# Altium PCB RFPCB_REV-A.PcbDoc (continued)
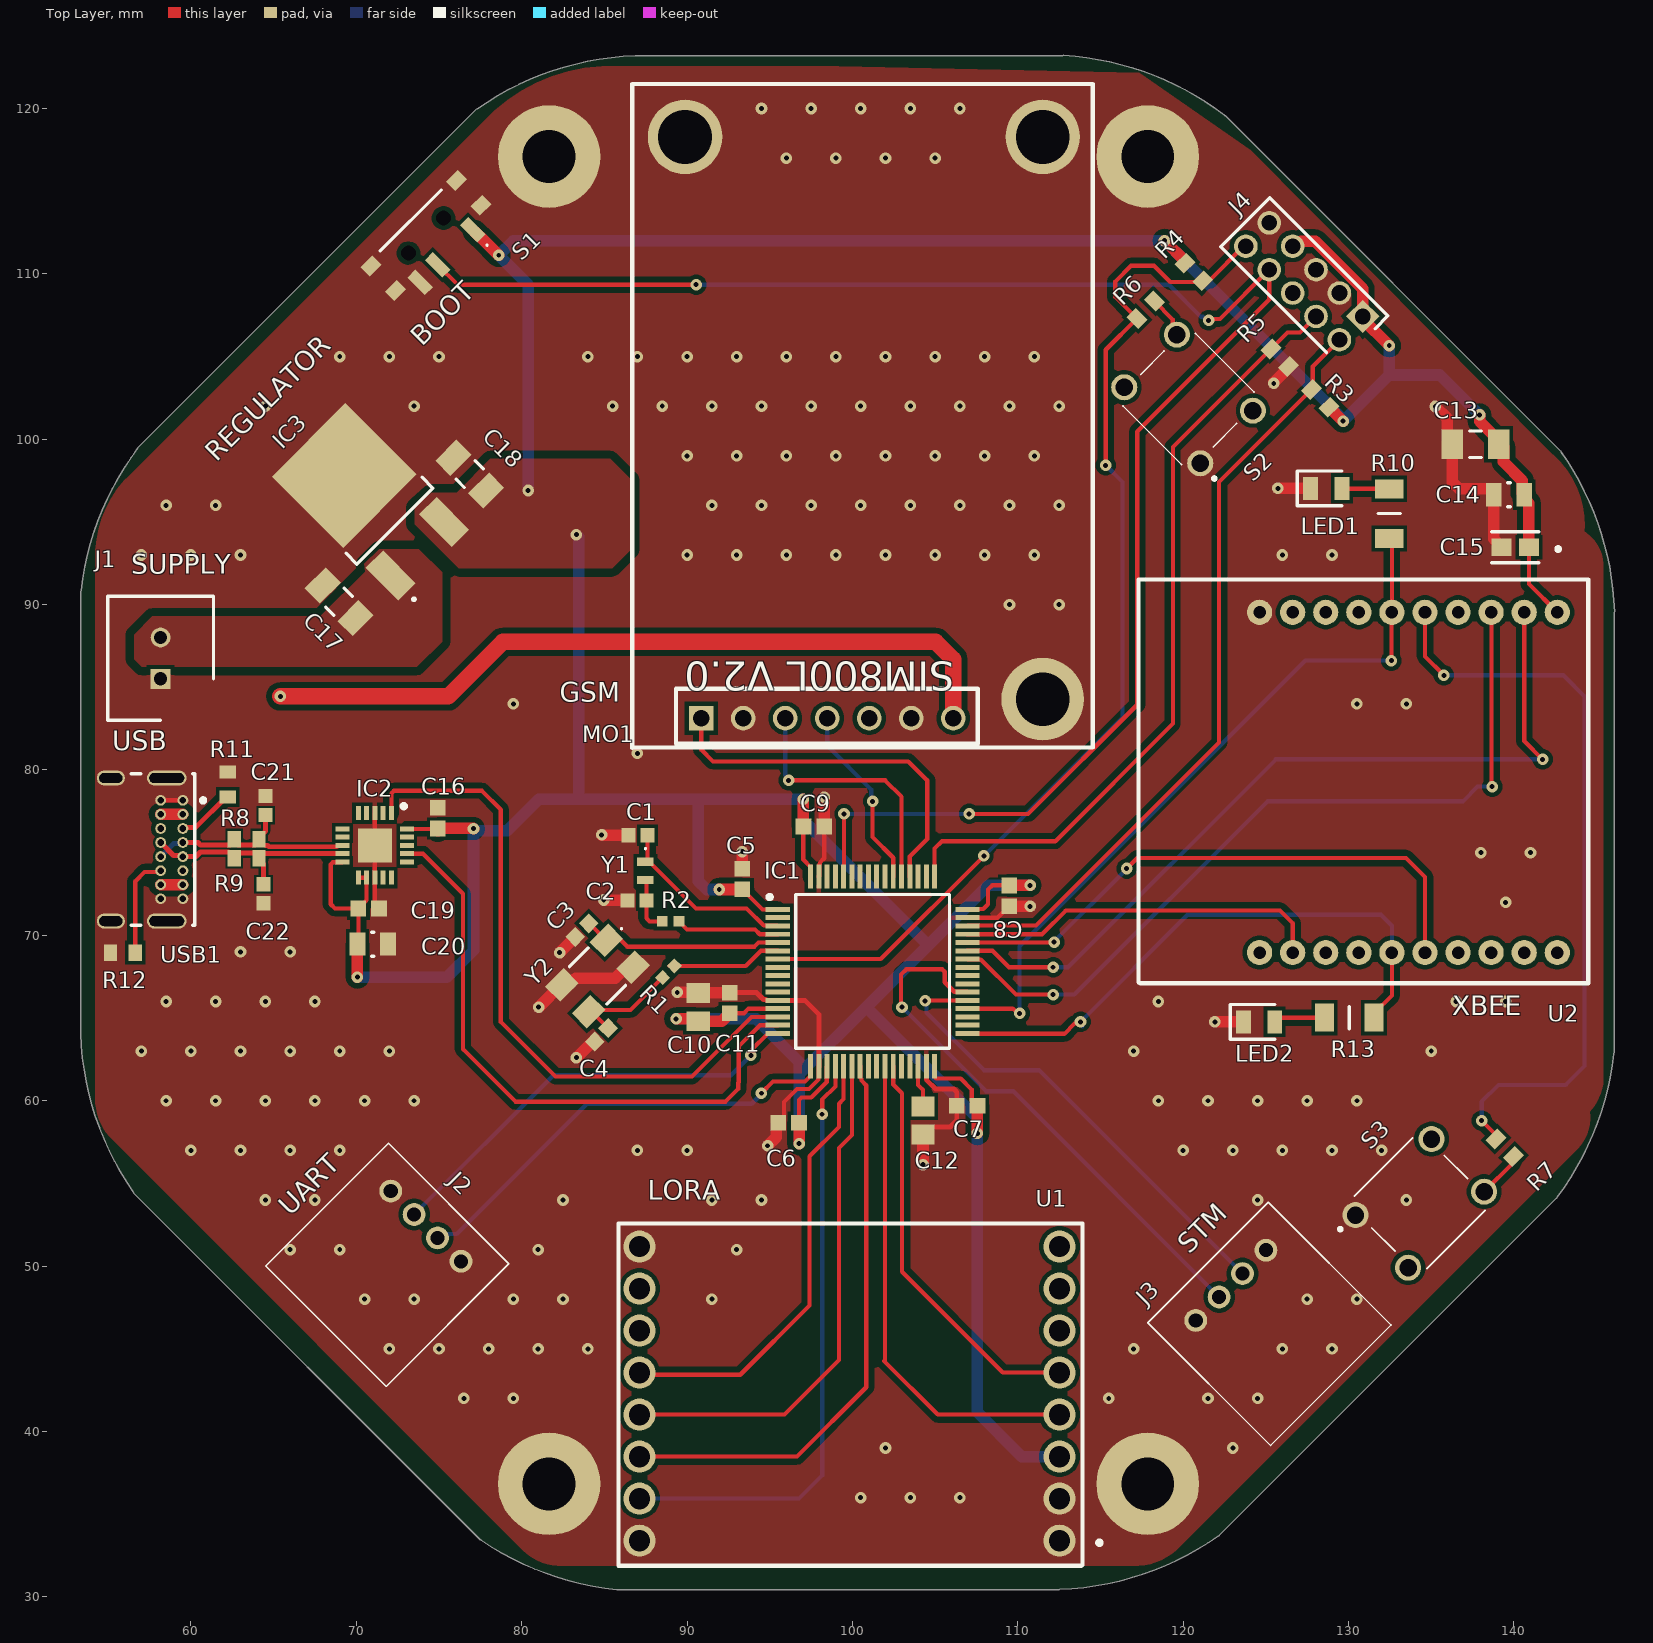
[diagram p0: Top Layer view]
## Part data
C1 C2 C3 C4 C21 C22: library part CMP-001-00005-6, "Chip Capacitor, 1 uF, +/- 10%, 25 V, 0603 (1608 Metric)", Capacitor Type=Ceramic, Case/Package=0603, Max Operating Temperature=125°C, Min Operating Temperature=-55°C, Tolerance=10%, Voltage Rating=25V, Mounting Technology=SM, Pins=2, RoHS Compliant=True
C5 C6 C7 C8 C9 C11 C16 C19: library part CMP-001-00017-6, "Chip Capacitor, 100 nF, +/- 10%, 50 V, 0603 (1608 Metric)", Capacitor Type=Ceramic, Case/Package=0603, Max Operating Temperature=125°C, Min Operating Temperature=-55°C, Tolerance=10%, Voltage Rating=50V, Mounting Technology=SM, Pins=2, RoHS Compliant=True
C10 C12: library part CMP-001-00007-6, "Chip Capacitor, 1 uF, +/- 10%, 50 V, 0805 (2012 Metric)", Capacitor Type=Ceramic, Case/Package=0805, Max Operating Temperature=125°C, Min Operating Temperature=-55°C, Tolerance=10%, Voltage Rating=50V, Mounting Technology=SM, Pins=2, RoHS Compliant=True
C13 C17 C18: library part CMP-001-00016-6, "Chip Capacitor, 10 uF, +/- 10%, 16 V, 1206 (3216 Metric)", Capacitor Type=Ceramic, Case/Package=1206, Max Operating Temperature=125°C, Min Operating Temperature=-55°C, Tolerance=10%, Voltage Rating=16V, Mounting Technology=SM, Pins=2, RoHS Compliant=True
C14 C20: library part CMP-2100-03606-3, "CAP CER 0.1UF 50V X7R 0805", Capacitance="100 nF", Manufacturer=Yageo, Manufacturer Part Number=CC0805KRX7R9BB104, Package=CC0805-0.85, Temperature="-30°C to +85°C", Temperature Characteristic=X7R, Temperature Range High=+85°C, Temperature Range Low=-30°C, Tolerance=0.1, Voltage Rating="50 V", Automotive=No, Category=Cap, ComponentLink2Description=Datasheet, ComponentLink2URL=http://www.yageo.com/documents/recent/UPY-GPHC_Y5V_6.3V-to-50V_8.pdf, Device Class L1="Passive Components", Device Class L2=Capacitors, Device Class L3="Ceramic Capacitors", Digikey Description="CAP CER 0.1UF 50V X7R 0805", Footprint Url=http://www.yageo.com/exep/pages/download/literatures/UPY-C_GEN_24.pdf, Height=0.95mm, Ipc Land Pattern Name=CAPC200125X85, Lead Free=Yes, Material=Ceramic, Mouser Description="Multilayer Ceramic Capacitors MLCC - SMD/SMT 100nF 50V X7R 10%", Octopart=https://octopart.com/cc0805krx7r9bb104-yageo-192993, RoHS=TRUE
C15: library part CMP-2006-04378-2, "General Purpose Ceramic Capacitor, 0603, 1nF, 10%, X7R, 15%, 50V", Capacitance=1nF, Case Code (Imperial)=0603, Case Code (Metric)=1608, Dielectric=X7R, Dielectric Material=Ceramic, Max Operating Temperature=125°C, Min Operating Temperature=-55°C, Package Quantity=4000, Tolerance=10%, Voltage=50V, Case/Package=0603, Construction=Flat, Contact Plating=Tin, Depth=0.81mm, Height=0.9mm, Lead Free="Lead Free", Length=1.6mm, Mount="Surface Mount", Number of Pins=2, Packaging="Tape and Reel", Radiation Hardening=No, REACH SVHC="No SVHC", RoHS Compliant=Yes, Series=-, Termination=SMD/SMT, Thickness=0.035inch, Voltage Rating=50V, Voltage Rating (DC)=50V, Weight=7.1E-05oz, Width=0.032inch
IC1: "Integrated Circuit", Manufacturer_Name=STMicroelectronics, Mouser Part Number=511-STM32F446RET6TR, Arrow Part Number=STM32F446RET6TR, Arrow Price/Stock=https://www.arrow.com/en/products/stm32f446ret6tr/stmicroelectronics?utm_currency=USD&region=nac, Datasheet Link=https://www.arrow.com/en/products/stm32f446ret6tr/stmicroelectronics, Height=1.6mm, Manufacturer_Part_Number=STM32F446RET6TR, Mouser Price/Stock=https://www.mouser.co.uk/ProductDetail/STMicroelectronics/STM32F446RET6TR?qs=xZ%2FP%252Ba9zWqYaBJrnMqQZtg%3D%3D
IC2: "Integrated Circuit", Manufacturer_Name="FTDI Chip", Mouser Part Number=895-FT231XQ-R, Arrow Part Number=FT231XQ-R, Arrow Price/Stock=https://www.arrow.com/en/products/ft231xq-r/ftdi-chip?region=nac, Datasheet Link=http://www.ftdichip.com/Support/Documents/DataSheets/ICs/DS_FT231X.pdf, Height=0.8mm, Manufacturer_Part_Number=FT231XQ-R, Mouser Price/Stock=https://www.mouser.co.uk/ProductDetail/FTDI/FT231XQ-R?qs=Gp1Yz1mis3VkAf3iW%252BkumQ%3D%3D
IC3: "Integrated Circuit", Manufacturer_Name=STMicroelectronics, Mouser Part Number=511-LD29150DT33R, Arrow Part Number=LD29150DT33R, Arrow Price/Stock=https://www.arrow.com/en/products/ld29150dt33r/stmicroelectronics?region=nac, Datasheet Link=http://www.st.com/web/en/resource/technical/document/datasheet/CD00003403.pdf, Manufacturer_Part_Number=LD29150DT33R, Mouser Price/Stock=https://www.mouser.co.uk/ProductDetail/STMicroelectronics/LD29150DT33R?qs=M4RLcaOHglr1iYLz8rxZ4g%3D%3D
J1: "Connector", Arrow Part Number=B02B-XASK-1(LF)(SN), Manufacturer_Name="JST (JAPAN SOLDERLESS TERMINALS)", Mouser Part Number=N/A, Arrow Price/Stock=https://www.arrow.com/en/products/b02b-xask-1-lf-sn/jst-manufacturing?utm_currency=USD&region=europe, Datasheet Link=http://www.jst-mfg.com/product/pdf/eng/eXA1.pdf, Height=8.8mm, Manufacturer_Part_Number=B02B-XASK-1(LF)(SN), Mouser Price/Stock=https://www.mouser.co.uk/ProductDetail/JST-Commercial/B02B-XASK-1LFSN?qs=IKkN%2F947nfBty2GocXf7QA%3D%3D
J2 J3: "Connector", Manufacturer_Name=Molex, Arrow Part Number=353630460, Arrow Price/Stock=https://www.arrow.com/en/products/35363-0460/molex?region=nac, Datasheet Link=https://www.molex.com/pdm_docs/sd/353630260_sd.pdf, Height=5.5mm, Manufacturer_Part_Number=353630460
J4: "Connector", Manufacturer_Name=Molex, Mouser Part Number=538-87758-1016, Arrow Part Number=87758-1016, Arrow Price/Stock=https://www.arrow.com/en/products/87758-1016/molex?region=nac, Datasheet Link=http://www.molex.com/pdm_docs/sd/877581016_sd.pdf, Height=5.95mm, Manufacturer_Part_Number=87758-1016, Mouser Price/Stock=https://www.mouser.co.uk/ProductDetail/Molex/87758-1016?qs=9Wl4wMk6NjrOw5AcqxMewg%3D%3D
LED1 LED2: "LED", Manufacturer_Name=Kingbright, Mouser Part Number=N/A, Arrow Part Number=KP-2012CGCK, Arrow Price/Stock=https://www.arrow.com/en/products/kp-2012cgck/kingbright?utm_currency=USD&region=europe, Datasheet Link=https://componentsearchengine.com/Datasheets/2/KP-2012CGCK.pdf, Height=1.1mm, Manufacturer_Part_Number=KP-2012CGCK, Mouser Price/Stock=https://www.mouser.co.uk/ProductDetail/Kingbright/KP-2012CGCK?qs=2JU0tDl2GZ3tjMUbXin2qw%3D%3D
MO1: library part SIM800LV2.0, "GSM Module"
R1 R2: library part CMP-009-00005-5, "Chip Resistor, 0 Ohm, 0.1 W, -55 to 155 degC, 0402 (1005 Metric)", Case/Package=0402, Max Operating Temperature=155°C, Min Operating Temperature=-55°C, Power=100mW, Tolerance=5%, Voltage Rating=50V, Mounting Technology=SM, Pins=2, RoHS Compliant=True
R3 R4 R5 R6 R7 R8 R9 R11 R12: library part CMP-009-00017-5, "Chip Resistor, 10 KOhm, +/- 1%, 01 W, -55 to 155 degC, 0603 (1608 Metric)", Case/Package=0603, Max Operating Temperature=155°C, Min Operating Temperature=-55°C, Power=100mW, Tolerance=1%, Voltage Rating=50V, Mounting Technology=SM, Pins=2, RoHS Compliant=True
R10 R13: "Resistor", Manufacturer_Name=Panasonic, Mouser Part Number=667-ERA-8AEB102V, Arrow Part Number=ERA-8AEB102V, Arrow Price/Stock=https://www.arrow.com/en/products/era-8aeb102v/panasonic?utm_currency=USD&region=nac, Datasheet Link=https://industrial.panasonic.com/cdbs/www-data/pdf/RDM0000/AOA0000C307.pdf, Height=0.7mm, Manufacturer_Part_Number=ERA-8AEB102V, Mouser Price/Stock=https://www.mouser.co.uk/ProductDetail/Panasonic/ERA-8AEB102V?qs=Ojoo2rCVP9R3RwZw0XjknA%3D%3D
S1: "Switch", Manufacturer_Name="Nidec Copal", Mouser Part Number=229-CUS-12TB, Datasheet Link=https://www.nidec-copal-electronics.com/e/catalog/switch/cus.pdf, Height=1.4mm, Manufacturer_Part_Number=CUS-12TB, Mouser Price/Stock=https://www.mouser.co.uk/ProductDetail/Nidec-Components/CUS-12TB?qs=XeJtXLiO41Q1Ug1dC3Bq%2FQ%3D%3D
S2 S3: "Switch", Manufacturer_Name="Multicomp Pro", Datasheet Link=http://www.farnell.com/datasheets/2945655.pdf, Height=6mm, Manufacturer_Part_Number=MC32829
U1: "gg"
Y1: "Crystal or Oscillator", Manufacturer_Name=ABRACON, Mouser Part Number=815-ABS05W32.768KD2T, Arrow Part Number=ABS05W-32.768KHZ-D-2-T, Arrow Price/Stock=https://www.arrow.com/en/products/abs05w-32.768khz-d-2-t/abracon?utm_currency=USD&region=nac, Datasheet Link=https://abracon.com/Resonators/ABS05W.pdf, Height=0.5mm, Manufacturer_Part_Number=ABS05W-32.768KHZ-D-2-T, Mouser Price/Stock=https://www.mouser.co.uk/ProductDetail/ABRACON/ABS05W-32.768KHZ-D-2-T?qs=r5DSvlrkXmJ0aADBg3hvfA%3D%3D
Y2: "Crystal or Oscillator", Manufacturer_Name=ABRACON, Datasheet Link=https://abracon.com/AIGcrystals/ABM3BAIG.pdf, Height=0.9mm, Manufacturer_Part_Number=ABM3BAIG-16.000MHZ-12-3-T

## Free pads (board coordinates)
  round 0.127 on Mech2: 1(53.202,74.104) 1(53.202,74.104) 1(53.456,90.779) 1(53.474,90.779) 1(55.268,87.496) 1(55.268,87.476) 1(56.649,54.479) 1(56.688,54.459) 1(77.334,119.849) 1(77.344,119.839) 1(77.59,33.538) 1(77.597,33.546) 1(85.76,30.571) 1(85.76,30.571) 1(86.903,123.071) 1(86.956,123.071) 1(112.456,30.571) 1(112.51,30.571) 1(112.757,123.071) 1(112.757,123.079) 1(122.068,33.803) 1(122.078,33.793) 1(122.449,119.479) 1(122.496,119.431) 1(142.432,54.147) 1(142.489,54.204) 1(142.724,99.183) 1(142.734,99.193) 1(145.937,89.619) 1(145.956,89.571)
  round 6.2 hole 3.2: 2(81.661,36.83) 2(81.661,117.094) 2(117.856,36.83) 2(117.856,117.094)

## Via types
v1: diameter 0.7, hole 0.3, Top Layer to Bottom Layer, tented both sides, 204 vias

## Nets (pads, with @x,y where several pads share a name; then routed paths per layer and width w, separated by ;. In a path a pad name is that pad's centre, name@x,y a point inside that pad or via, vN(x,y) a via of type N, cw(c..) or ccw(c..) an arc to the next point about the centre after c; other vN are vias at no path point)
3v3: C5.1 C6.1 C7.1 C8.1 C9.1 C10.1 C11.1 C13.1 C14.1 C15.1 C16.1 C18.1 C19.1 C20.1 IC1.1 IC1.13 IC1.19 IC1.32 IC1.48 IC1.64 IC2.10 IC2.11 IC2.12 IC2.20 IC3.2 J4.1 J4.7 R3.1 R4.1 S1.1 U1.3 U2.1 | length 295.8
  Top Layer w0.254: IC2.10 69.147,74.415 68.579,74.415 68.453,74.289 68.453,71.882 68.707,71.628 C19.1 ; C20.1 70.124,69.525 C19.1 ; IC2.11 IC2.12 70.62,72.124 C19.1 ; IC2.20 C16.1@74.829,76.438 ; C18.1@77.216,96.901 C18.1 ; C11.1 93.439,65.288 93.719,65.568 IC1.13 ; C5.1 94.558,71.568 IC1.1 ; C6.1 96.764,60.049 96.913,60.198 97.508,60.198 98.446,61.136 98.446,62.057 IC1.19 ; C9.1 97.028,76.571 97.028,74.585 97.469,74.144 IC1.64 ; IC1.32@104.986,61.425 105.071,61.341 106.553,61.341 107.211,60.683 107.211,60.038 C7.1 ; IC1.48 106.98,71.591 107.913,71.591 108.204,71.882 108.204,72.771 108.458,73.025 C8.1@109.484,73.025 ; C15.1 140.907,91.249 U2.1
  Top Layer w0.7: v1(70.068,67.473) C20.1 ; C16.1@74.93,76.339 75.055,76.464 77.079,76.464 v1(77.089,76.454) ; IC3.2 75.346,94.961 IC3.2@75.911,94.961 ; S1.1@77.137,112.57 77.469,112.238 77.5,112.238 v1(78.613,111.125) ; v1(89.338,64.954) 90.533,64.954 C10.1 92.104,64.809 C11.1 ; v1(91.948,72.771) 93.335,72.771 C5.1 ; C6.1 96.774,58.664 v1(96.774,57.404) ; C9.1@97.028,76.591 v1(97.028,78.232) ; v1(107.559,58.029) C7.1 ; C8.1@109.484,73.025 v1(110.744,73.025) ; U1.3@112.395,38.354 U1.3 ; v1(118.872,112.014) 120.148,110.738 120.148,110.667 R4.1 ; J4.7 126.815,111.667 127.126,111.978 127.991,111.978 130.862,109.107 J4.1 130.862,107.263 v1(132.461,105.664) ; R3.1 v1(129.667,101.092) ; v1(137.922,101.473) 137.922,101.091 139.192,99.821 139.192,99.695 139.368,99.519 139.368,98.63 140.5,97.498 140.5,96.772 C14.1 ; C14.1@140.625,96.422 140.907,96.14 C15.1
  Bottom Layer w0.7: v1(70.068,67.473) 75.474,67.473 77.089,69.088 v1(77.089,76.454) 77.216,76.327 79.121,76.327 81.026,78.232 83.439,78.232 ; v1(80.391,96.901) 80.391,109.347 v1(78.613,111.125) 79.502,112.014 v1(118.872,112.014) 129.667,101.219 v1(129.667,101.092) 132.461,103.886 ; v1(83.312,94.234) 83.439,94.107 83.439,78.232 ; v1(89.338,64.954) 94.177,64.954 96.774,62.357 96.774,61.595 ; v1(91.948,72.771) 91.186,72.771 90.678,73.279 90.678,78.232 ; v1(96.774,57.404) 96.774,61.595 ; 100.965,65.532 107.559,58.938 107.559,41.158 110.236,38.481 U1.3 ; v1(110.744,73.025) 108.204,73.025 104.584,69.406 ; v1(132.461,105.664) 132.461,103.886 ; v1(137.922,101.473) 135.509,103.886 132.461,103.886 ; 83.439,78.232 90.678,78.232 ; 90.678,78.232 v1(97.028,78.232) 97.028,76.962 104.584,69.406 ; 96.774,61.595 100.838,65.659 104.584,69.406
5v: C17.1 IC3.1 J1.2 MO1.7 USB1.A4 USB1.A9 USB1.B4 USB1.B9 | length 48.9
  Top Layer w0.254: USB1.B4@58.09,73.14 USB1.B4
  Top Layer w0.7: USB1.B4 USB1.A9 ; USB1.B9 USB1.A4
  Top Layer w1: v1(65.405,84.455) 75.565,84.455 78.867,87.757 105.029,87.757 106.097,86.689 MO1.7
BOOT: IC1.60 J4.8 S1.2 | length 106.8
  Top Layer w0.254: S1.2 76.118,109.347 v1(90.551,109.347) ; IC1.60 99.492,73.579 v1(99.492,77.343) ; v1(107.061,77.343) 110.617,77.343 117.221,83.947 117.221,100.457 125.205,108.441 J4.8 122.225,107.273 121.624,107.273 v1(121.539,107.188)
  Bottom Layer w0.254: v1(90.551,109.347) 119.126,109.347 121.073,107.4 121.206,107.4 121.418,107.188 v1(121.539,107.188) ; v1(99.492,77.343) v1(107.061,77.343)
FT_D_N: C22.1 IC2.9 R9.1 R9.2 USB1.A7 USB1.B7 | length 13.8
  Top Layer w0.3: USB1.B7 58.949,74.831 59.449,74.831 USB1.A7 60.304,74.764 60.579,75.039 62.26,75.039 62.273,75.026 62.373,75.026 62.623,74.776 R9.1 62.623,74.727 62.873,74.977 63.873,74.977 64.123,74.727 R9.2 64.123,74.576 64.389,74.31 C22.1 ; R9.2@64.123,74.688 64.373,74.938 IC2.9
FT_D_P: C21.1 IC2.8 R8.1 R8.2 USB1.A6 USB1.B6 | length 13
  Top Layer w0.3: USB1.A6 60.424,75.614 60.579,75.459 62.263,75.459 62.273,75.469 62.373,75.469 R8.1@62.623,75.719 ; R8.1 R8.1@62.623,75.719 ; 63.301,75.469 62.873,75.469 R8.1@62.623,75.719 ; 63.386,75.469 63.873,75.469 R8.2@64.123,75.719 ; R8.2 64.123,75.919 64.516,76.312 C21.1 ; 64.549,75.446 64.635,75.446 64.723,75.358 68.815,75.358 68.895,75.438 IC2.8
  Bottom Layer w0.3: USB1.B6 58.949,75.547 59.449,75.547 USB1.A6
FT_Rx: IC1.14 IC2.1 | length 40.8
  Top Layer w0.254: IC2.1 72.12,78.591 72.269,78.74 77.597,78.74 78.74,77.597 78.74,64.77 82.042,61.468 90.297,61.468 93.897,65.068 IC1.14
FT_Tx: IC1.15 IC2.17 | length 37.5
  Top Layer w0.254: IC2.17 74.033,74.938 76.454,72.517 76.454,63.119 79.629,59.944 92.329,59.944 93.091,60.706 93.091,61.087 93.122,61.118 93.122,63.27 94.42,64.568 IC1.15
GND: C1.2 C2.2 C3.2 C4.2 C5.2 C6.2 C7.2 C8.2 C9.2 C10.2 C11.2 C12.2 C13.2 C14.2 C15.2 C16.2 C17.2 C18.2 C19.2 C20.2 C21.2 C22.2 IC1.12 IC1.18 IC1.31 IC1.47 IC1.63 IC2.3 IC2.13 IC2.21 IC3.3 J1.1 J2.1 J2.4 J3.1 J3.4 J4.3 J4.5 J4.9 LED1.1 LED2.1 MO1.2 MO1.6 MO1.MH1 MO1.MH2 MO1.MH3 pad.2 R5.2 R11.1 R12.1 S1.3 S1.MP1 S1.MP2 S1.MP3 S1.MP4 S2.1 S3.1 U1.1 U1.2 U1.9 U1.16 U2.10 USB1.1 USB1.2 USB1.3 USB1.4 USB1.A1 USB1.A12 USB1.B1 USB1.B12 Y2.2 Y2.4 | length 75.1
  Top Layer w0.254: USB1.2@58.166,71.162 58.464,70.864 USB1.2 ; USB1.B12 USB1.A1 ; IC2.3 IC2.21 IC2.13 71.12,71.882 C19.2 ; C6.2 95.862,59.022 95.862,59.921 96.647,60.706 97.374,60.706 97.946,61.278 97.946,62.057 IC1.18 ; IC1.63 97.992,73.579 97.992,74.265 98.042,74.315 98.042,74.408 98.298,74.664 C9.2@98.298,76.591 ; IC1.47 108.777,71.068 C8.2
  Top Layer w0.3: C11.2 94.199,66.538 94.619,66.118 94.756,66.118 94.806,66.068 IC1.12 97.127,66.068 97.969,65.226 IC1.18 ; C12.2 104.717,58.401 105.899,58.401 106.309,58.811 C7.2 106.309,60.53 106.133,60.706 105.031,60.706 104.469,61.268 IC1.31
  Top Layer w0.7: R12.1@55.118,68.949 R12.1 ; USB1.4@55.143,70.851 USB1.4 ; v1(81.026,65.659) 82.378,67.011 82.852,67.011 83.258,67.417 85.662,67.417 86.317,68.072 Y2.4 ; v1(82.296,68.961) C3.2 ; v1(83.312,62.611) 83.333,62.611 84.303,63.581 C4.2 ; v1(84.836,76.073) 84.856,76.053 C1.2 ; v1(84.963,72.136) 84.983,72.116 C2.2 ; v1(89.408,66.548) C10.2@90.805,66.548 ; C10.2 90.693,66.523 92.568,66.523 C11.2 ; C5.2 93.335,74.041 93.345,74.051 v1(93.345,75.057) ; v1(94.869,57.277) 95.389,57.797 95.389,58.549 C6.2 ; C9.2@98.298,76.591 v1(98.298,78.359) ; v1(104.267,56.134) C12.2 ; C8.2 109.484,71.755 v1(110.744,71.755) ; v1(121.92,64.77) LED2.1 ; v1(125.476,103.378) 125.476,103.434 126.365,104.323 R5.2 ; v1(125.73,97.028) LED1.1 ; v1(135.255,101.981) 135.968,101.268 135.968,99.995 C13.2 136.268,97.407 136.678,96.997 138.65,96.997 138.775,96.872 C14.2 138.775,93.973 139.002,93.746 139.002,93.656 139.186,93.472 C15.2
  Bottom Layer w0.254: USB1.2@58.166,71.162 58.464,70.864 USB1.2
  other v1: 100.5,36 103.5,36 106.5,36 102,39 123,39 76.5,42 79.5,42 115.5,42 121.5,42 124.5,42 72,45 75,45 78,45 81,45 84,45 117,45 126,45 129,45 70.5,48 73.5,48 79.5,48 82.5,48 91.5,48 127.5,48 130.5,48 66,51 69,51 81,51 93,51 64.5,54 67.5,54 82.5,54 91.5,54 94.5,54 124.5,54 133.5,54 60,57 63,57 66,57 69,57 87,57 90,57 120,57 123,57 126,57 129,57 132,57 58.5,60 61.5,60 64.5,60 67.5,60 70.5,60 73.5,60 118.5,60 121.5,60 124.5,60 127.5,60 130.5,60 57,63 60,63 63,63 66,63 69,63 72,63 117,63 135,63 58.5,66 61.5,66 64.5,66 67.5,66 118.5,66 136.5,66 139.5,66 63,69 66,69 139.5,72 138,75 141,75 87,81 79.5,84 130.5,84 133.5,84 109.5,90 112.5,90 57,93 60,93 63,93 90,93 93,93 96,93 99,93 102,93 105,93 108,93 111,93 126,93 129,93 58.5,96 61.5,96 91.5,96 94.5,96 97.5,96 100.5,96 103.5,96 106.5,96 109.5,96 112.5,96 90,99 93,99 96,99 99,99 102,99 105,99 108,99 111,99 64.5,102 73.5,102 85.5,102 88.5,102 91.5,102 94.5,102 97.5,102 100.5,102 103.5,102 106.5,102 109.5,102 112.5,102 69,105 72,105 75,105 84,105 87,105 90,105 93,105 96,105 99,105 102,105 105,105 108,105 111,105 96,117 99,117 102,117 105,117 94.5,120 97.5,120 100.5,120 103.5,120 106.5,120
GSM_RST: IC1.52 MO1.1 | length 22.6
  Top Layer w0.254: MO1.1 90.857,81.228 91.567,80.518 103.378,80.518 104.521,79.375 104.521,75.819 103.469,74.767 IC1.52
GSM_Rx: IC1.53 MO1.3 | length 15.9
  Top Layer w0.254: v1(96.139,79.375) 101.981,79.375 102.969,78.387 IC1.53
  Bottom Layer w0.254: MO1.3 95.937,79.698 96.139,79.496 v1(96.139,79.375)
GSM_Tx: IC1.54 MO1.4 | length 11.2
  Top Layer w0.254: v1(101.219,78.105) 101.219,75.946 102.469,74.696 IC1.54
  Bottom Layer w0.254: MO1.4 98.477,81.482 101.134,78.825 101.134,78.19 v1(101.219,78.105)
HSE_IN: C3.1 IC1.5 Y2.1 | length 12.2
  Top Layer w0.254: C3.1 84.094,70.719 Y2.1 85.188,69.772 85.928,69.772 86.384,69.316 94.074,69.316 94.326,69.568 IC1.5
HSE_OUT: IC1.6 R1.2 | length 6.9
  Top Layer w0.254: R1.2@88.947,68.152 93.552,68.152 94.468,69.068 IC1.6
LoRa_DIO0: IC1.27 U1.5 | length 24.7
  Top Layer w0.254: IC1.27 102.469,60.98 102.997,60.452 102.997,49.657 109.093,43.561 U1.5
LoRa_MISO: IC1.22 U1.13 | length 31.5
  Top Layer w0.254: U1.13 95.885,41.021 99.187,44.323 99.187,57.15 99.969,57.932 IC1.22
LoRa_MOSI: IC1.23 U1.14 | length 35
  Top Layer w0.254: U1.14 96.647,38.481 100.838,42.672 100.838,60.932 100.542,61.228 100.542,61.321 100.492,61.371 100.492,62.057 IC1.23
LoRa_NSS: IC1.20 U1.15 | length 36.8
  Top Layer w0.254: U1.15 U1.15@87.185,36.005 ; v1(98.171,59.182) 98.171,60.071 98.969,60.869 IC1.20
  Bottom Layer w0.254: U1.15 96.774,35.941 98.171,37.338 v1(98.171,59.182)
LoRa_RST: IC1.26 U1.4 | length 29.8
  Top Layer w0.254: IC1.26 101.969,44.324 101.911,44.266 105.156,41.021 U1.4
LoRa_SCK: IC1.21 U1.12 | length 27.4
  Top Layer w0.254: U1.12 87.249,43.434 93.218,43.434 97.409,47.625 97.409,56.642 99.187,58.42 99.187,59.817 99.469,60.099 IC1.21
LSE_IN: C1.1 IC1.3 Y1.1 | length 11.3
  Top Layer w0.254: Y1.1 Y1.1@87.487,74.444 ; C1.1 87.61,74.567 Y1.1@87.487,74.444 ; IC1.3 95.458,70.591 94.636,70.591 93.599,71.628 90.549,71.628 87.733,74.444 Y1.1@87.487,74.444
LSE_OUT: IC1.4 R2.2 | length 6.3
  Top Layer w0.254: R2.2 89.995,70.358 94.107,70.358 94.397,70.068 IC1.4
NetC2_1: C2.1 R2.1 Y1.2 | length 3.4
  Top Layer w0.254: Y1.2 87.55,73.277 C2.1 87.55,71.033 87.737,70.846 R2.1
NetC4_1: C4.1 R1.1 Y2.3 | length 6.9
  Top Layer w0.254: C4.1 84.232,65.385 Y2.3 84.16,65.491 86.573,65.491 R1.1
NetC12_1: C12.1 IC1.30 | length 2.6
  Top Layer w0.254: IC1.30 103.969,60.957 104.267,60.659 C12.1
NetLED1_2: LED1.2 R10.1 | length 2.9
  Top Layer w0.254: LED1.2 129.625,97.004 R10.1
NetLED2_2: LED2.2 R13.1 | length 3.1
  Top Layer w0.254: LED2.2 125.791,65.024 R13.1
NetR6_1: R6.1 S2.4 | length 2.8
  Top Layer w0.254: R6.1@118.427,108.353 R6.1 119.364,107.248 119.364,106.576 S2.4
NetR7_1: R7.1 S3.4 | length 2.9
  Top Layer w0.254: S3.4 139.976,56.276 R7.1
NetR11_2: R11.2 USB1.A5 | length 3.5
  Top Layer w0.3: USB1.A5 59.583,76.531 60.29,76.531 62.13,78.371 R11.2
NetR12_2: R12.2 USB1.B5 | length 6.1
  Top Layer w0.254: R12.2 56.63,73.267 57.201,73.838 58.09,73.838 USB1.B5
NRST: IC1.7 J4.10 R4.2 R6.2 | length 64.9
  Top Layer w0.254: IC1.7 101.715,68.568 v1(107.95,74.803) ; v1(115.316,98.425) 115.316,105.41 R6.2 115.896,108.595 115.896,109.546 116.84,110.49 118.237,110.49 119.219,109.508 121.11,109.508 R4.2 121.566,109.579 123.655,111.667 J4.10
  Bottom Layer w0.254: v1(107.95,74.803) 116.332,83.185 116.332,97.409 v1(115.316,98.425) ; J4.10@123.489,111.667 J4.10
STM_RX: IC1.37 J3.3 | length 29
  Top Layer w0.254: v1(104.394,66.04) 104.422,66.068 IC1.37
  Bottom Layer w0.254: v1(104.394,66.04) 104.479,65.955 104.479,65.32 107.95,61.849 111.286,61.849 J3.3
STM_TX: IC1.38 J3.2 | length 33.5
  Top Layer w0.254: v1(102.997,65.659) 102.942,65.714 102.942,67.636 103.251,67.945 105.431,67.945 105.58,67.796 105.58,67.166 106.155,66.591 106.934,66.591 IC1.38
  Bottom Layer w0.254: v1(102.997,65.659) 108.077,60.579 109.728,60.579 J3.2
SWDCLK: IC1.49 J4.4 R5.1 | length 47.9
  Top Layer w0.254: IC1.49 104.992,73.579 IC1.49@104.992,74.258 ; IC1.49@104.969,74.258 104.969,75.251 105.41,75.692 112.268,75.692 119.38,82.804 119.38,99.53 R5.1 126.309,106.46 127.068,106.46 J4.4
SWDIO: IC1.46 J4.2 R3.2 | length 47.1
  Top Layer w0.254: IC1.46 106.98,70.591 111.104,70.591 122.174,81.661 122.174,97.409 R3.2 ; R3.2@127.833,103.068 127.833,104.396 J4.2
UART_RX_BR: IC1.17 J2.3 | length 27.2
  Top Layer w0.254: v1(94.488,60.452) 95.196,61.16 97.137,61.16 97.446,61.469 97.446,62.057 IC1.17
  Bottom Layer w0.254: J2.3 75.128,51.922 75.604,51.922 75.625,51.943 76.073,51.943 83.947,59.817 93.91,59.817 94.488,60.395 v1(94.488,60.452)
UART_TX_BR: IC1.16 J2.2 | length 26.7
  Top Layer w0.254: v1(93.853,62.738) 93.938,62.823 93.938,63.113 94.87,64.045 95.458,64.045 IC1.16
  Bottom Layer w0.254: J2.2 81.919,61.541 92.656,61.541 v1(93.853,62.738)
Xbee_ASSO: IC1.33 R13.2 U2.15 | length 34.9
  Top Layer w0.254: IC1.33 106.98,64.045 112.813,64.045 113.433,64.665 113.566,64.665 113.671,64.77 v1(113.792,64.77) ; R13.2 131.548,65.299 132.621,66.372 U2.15
  Bottom Layer w0.254: v1(113.792,64.77) 120.269,71.247 131.953,71.247 132.621,70.579 U2.15 ; v1@113.919,64.51 v1@113.919,64.522
Xbee_CTS: IC1.45 U2.12 | length 22.4
  Top Layer w0.254: IC1.45 111.47,70.068 112.903,71.501 125.857,71.501 126.621,70.737 U2.12
Xbee_RSSI: IC1.36 R10.2 U2.6 | length 44.4
  Top Layer w0.254: IC1.36 109.698,65.568 109.988,65.278 v1(110.109,65.278) ; R10.2 132.621,93.844 U2.6 132.604,89.519 132.604,86.63 v1(132.588,86.614)
  Bottom Layer w0.254: v1(110.109,65.278) 110.109,69.342 127.381,86.614 v1(132.588,86.614)
Xbee_RST: R7.2 U2.5 | length 45.4
  Top Layer w0.254: U2.5 134.621,86.867 v1(135.763,85.725) ; v1(138.049,58.801) 138.916,57.934 R7.2
  Bottom Layer w0.254: v1(135.763,85.725) 143.002,85.725 144.272,84.455 144.272,62.103 143.129,60.96 139.065,60.96 138.049,59.944 v1(138.049,58.801)
Xbee_RTS: IC1.44 U2.16 | length 34.9
  Top Layer w0.254: IC1.44 112.169,69.568 v1(112.197,69.596) ; v1(116.586,74.041) 117.221,74.676 133.477,74.676 134.621,73.532 U2.16
  Bottom Layer w0.254: v1(112.197,69.596) 112.197,69.624 116.586,74.013 v1(116.586,74.041)
Xbee_RxD: IC1.42 U2.3 | length 48.4
  Top Layer w0.254: IC1.42 106.98,68.545 107.759,68.545 109.883,66.421 v1(112.141,66.421) ; U2.3 138.653,89.504 138.653,79.025 v1(138.684,78.994)
  Bottom Layer w0.254: v1(112.141,66.421) 113.411,66.421 125.095,78.105 136.912,78.105 137.801,78.994 v1(138.684,78.994)
Xbee_TxD: IC1.43 U2.2 | length 49.7
  Top Layer w0.254: IC1.43 108.478,69.068 109.474,68.072 v1(112.141,68.072) ; U2.2 140.621,81.756 v1(141.732,80.645)
  Bottom Layer w0.254: v1(112.141,68.072) 113.03,68.072 125.603,80.645 v1(141.732,80.645)
pads on no net: IC1.2 IC1.8 IC1.9 IC1.10 IC1.11 IC1.24 IC1.25 IC1.28 IC1.29 IC1.34 IC1.35 IC1.39 IC1.40 IC1.41 IC1.50 IC1.51 IC1.55 IC1.56 IC1.57 IC1.58 IC1.59 IC1.61 IC1.62 IC2.2 IC2.4 IC2.5 IC2.6 IC2.7 IC2.14 IC2.15 IC2.16 IC2.18 IC2.19 J4.6 MO1.5 S1.MH1 S1.MH2 S2.2 S2.3 S3.2 S3.3 U1.6 U1.7 U1.8 U1.10 U1.11 U2.4 U2.7 U2.8 U2.9 U2.11 U2.13 U2.14 U2.17 U2.18 U2.19 U2.20 USB1.A8 USB1.B8

## Polygon pours and split planes (outlines as drawn)
GND on Top Layer "GND_L01_P047" (solid, remove dead copper, pour order 47): 117.348,122.174 124.079,117.475 142.113,99.314 142.588,98.839 cw(c138.548,94.8) 144.25,94.436 cw(c142.776,92.246) 145.415,92.245 145.415,61.477 cw(c142.255,61.476) 144.572,59.328 cw(c142.12,58.899) 143.88,57.139 119.665,32.924 cw(c117.138,35.45) 117.138,31.877 82.312,31.877 cw(c82.311,34.98) 80.107,32.796 55.176,57.727 cw(c57.462,60.013) 54.229,60.013 54.229,92.946 cw(c61.004,92.952) 56.213,97.742 77.97,119.499 cw(c85.348,112.121) 85.348,122.555 98.933,122.555 98.933,122.646 ccw(c99.042,122.6) 98.933,122.555
GND on Top Layer "GND_L01_P038" (solid, pour order 38): 75.882,116.459 76.2,116.459 76.454,116.205 78.359,114.3 78.359,113.792 77.851,113.284 77.216,113.284 75.184,115.316 75.184,115.9
5v on Top Layer "5V_L01_P023" (solid, pour order 23): 70.485,92.456 71.374,93.345 73.787,93.345 75.184,91.948 75.184,87.757 73.66,86.233 57.023,86.233 56.558,86.698 56.558,88.181 57.658,89.281 67.818,89.281 70.536,91.999
3v3 on Top Layer "3V3_L01_P032" (solid, pour order 32): 73.66,96.012 73.533,95.885 73.533,94.869 76.2,92.202 85.471,92.202 86.614,93.345 86.614,97.536 85.344,98.806 78.105,98.806 76.073,96.774 74.517,96.774
GND on Top Layer "GND_L01_P010" (solid, pour order 10): 70.877,111.39 71.258,111.39 72.655,109.993 73.544,110.882 74.687,109.739 74.676,109.22 73.152,107.696 72.655,107.707 70.115,110.247 70.115,110.606 70.104,110.617
GND on Bottom Layer "GND_L02_P046" (solid, remove dead copper, pour order 46): 117.348,122.174 124.079,117.475 142.113,99.314 142.588,98.839 cw(c138.548,94.8) 144.25,94.436 cw(c142.776,92.246) 145.415,92.245 145.415,61.477 cw(c142.255,61.476) 144.572,59.328 cw(c142.12,58.899) 143.88,57.139 119.665,32.924 cw(c117.138,35.45) 117.138,31.877 82.312,31.877 cw(c82.311,34.98) 80.107,32.796 55.176,57.727 cw(c57.462,60.013) 54.229,60.013 54.229,92.946 cw(c61.004,92.952) 56.213,97.742 77.97,119.499 cw(c85.348,112.121) 85.348,122.555 98.933,122.555 98.933,122.646 ccw(c99.042,122.6) 98.933,122.555
5v on Bottom Layer "5V_L02_P031" (solid, pour order 31): 57.404,72.009 56.794,72.644 56.794,77.68 57.531,78.613 60.834,78.72 60.834,78.741 60.91,78.817 60.91,85.669 57.574,85.777 57.023,86.741 57.023,87.884 58.928,89.789 63.119,89.789 67.183,85.725 67.183,74.93 64.262,72.009

## Silkscreen, mask and mechanical layers (free items; w line width, h text height)
Top Overlay:
  text "BOOT" at 74.274,105.277 h2 r45
  text "REGULATOR" at 61.828,98.292 h2 r45
  text "SUPPLY" at 56.384,91.466 h2
  text "GSM" at 82.292,83.719 h2
  text "USB" at 55.241,80.798 h2
  text "XBEE" at 136.267,64.766 h2
  text "LORA" at 87.626,53.62 h2
  text "UART" at 66.273,52.699 h2 r45
  text "STM" at 120.629,50.413 h2 r45
Top 3D Body:
  lines w0.254: 53.456,90.779 53.456,64.071 ccw(c71.074,64.646) 56.688,54.459 ; 53.474,90.779 cw(c70.989,88.796) 56.919,99.414 ; 56.649,54.479 77.59,33.538 ; 56.919,99.434 77.334,119.849 ; 77.344,119.839 cw(c87.531,105.454) 86.956,123.071 ; 77.597,33.546 ccw(c87.527,48.11) 85.76,30.571 112.51,30.571 ; 86.903,123.071 112.757,123.071 ; 112.456,30.571 ccw(c111.882,48.189) 122.068,33.803 ; 112.757,123.079 cw(c111.72,105.483) 122.496,119.431 ; 122.078,33.793 142.489,54.204 ; 122.449,119.479 142.734,99.193 ; 142.432,54.147 ccw(c128.397,64.811) 145.938,63.073 ; 142.724,99.183 cw(c128.339,88.997) 145.956,89.571 ; 145.937,62.911 145.937,89.619
Top Courtyard:
  circle w0.013: c81.661,36.83 r3.1
  circle w0.013: c81.661,117.094 r3.1
  circle w0.013: c117.856,36.83 r3.1
  circle w0.013: c117.856,117.094 r3.1
Board:
  circle w0.013: c81.661,36.83 r1.6
  circle w0.013: c81.661,117.094 r1.6
  circle w0.013: c118.364,11.43 r1.6
  circle w0.013: c117.856,117.094 r1.6

## Text inside footprints (layer, text, board x,y; h text height)
MO1: Top Overlay "SIM800L V2.0" at 106.157,87.112 h3 r180